# Altium PCB trackerPCB.PcbDoc
Units mil, origin at the board's own origin, x right, y up, seen from the top; angles counter-clockwise.
Board outline 2650 x 1265 mil, 4 copper layers (Top Layer, Ground, Power, Bottom Layer), stack 59.52 mil thick; 54 components, 51 nets, 269 pads, 73 vias.
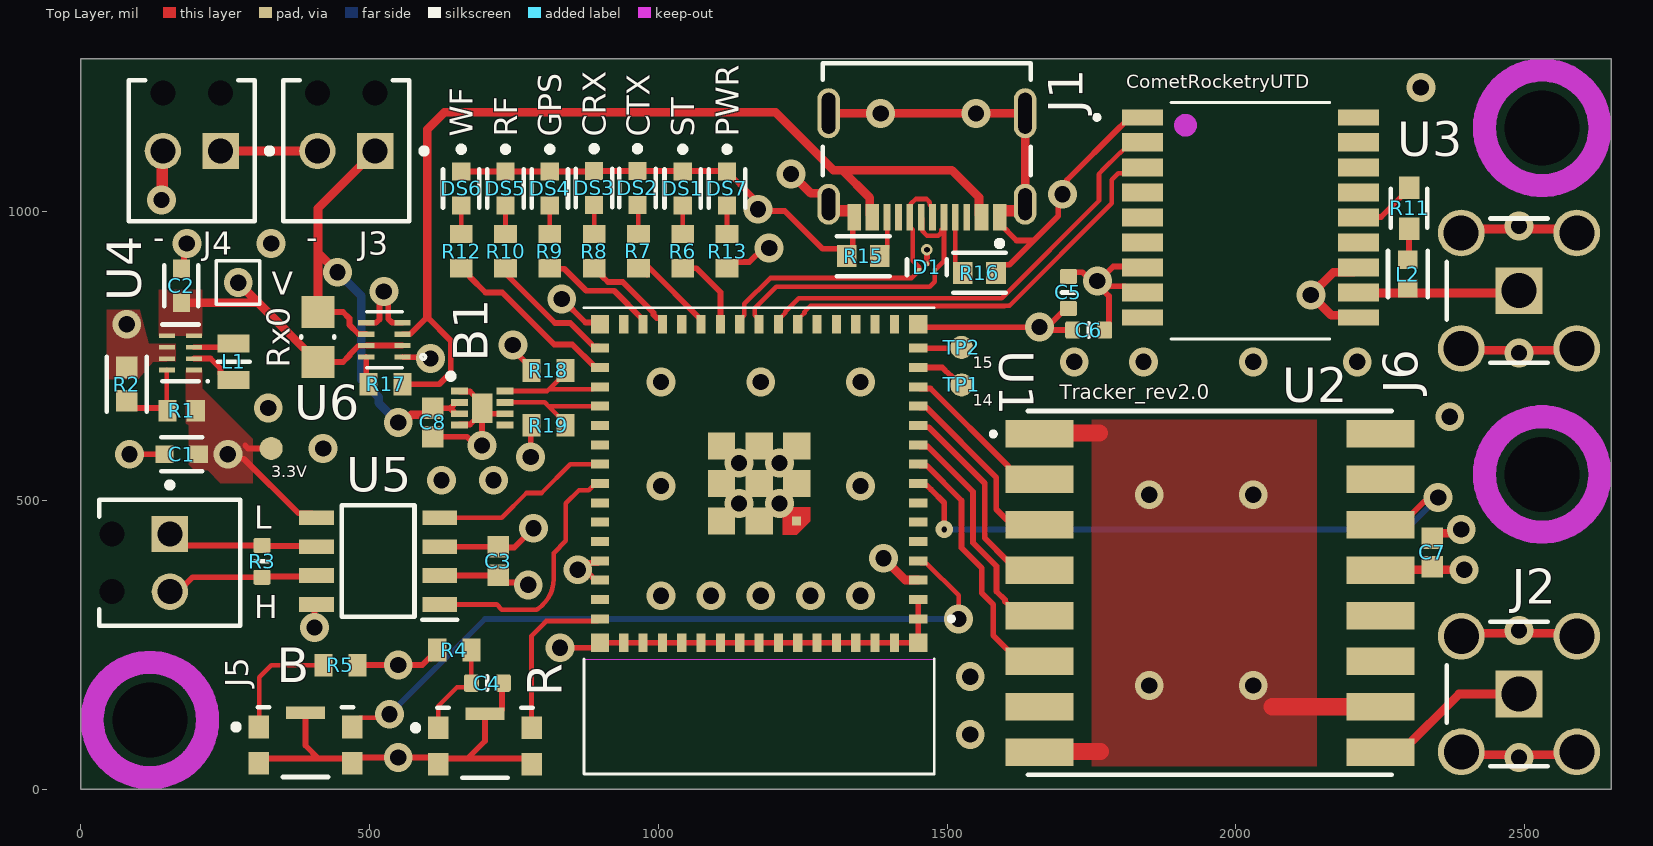
[diagram p0: Top Layer view]
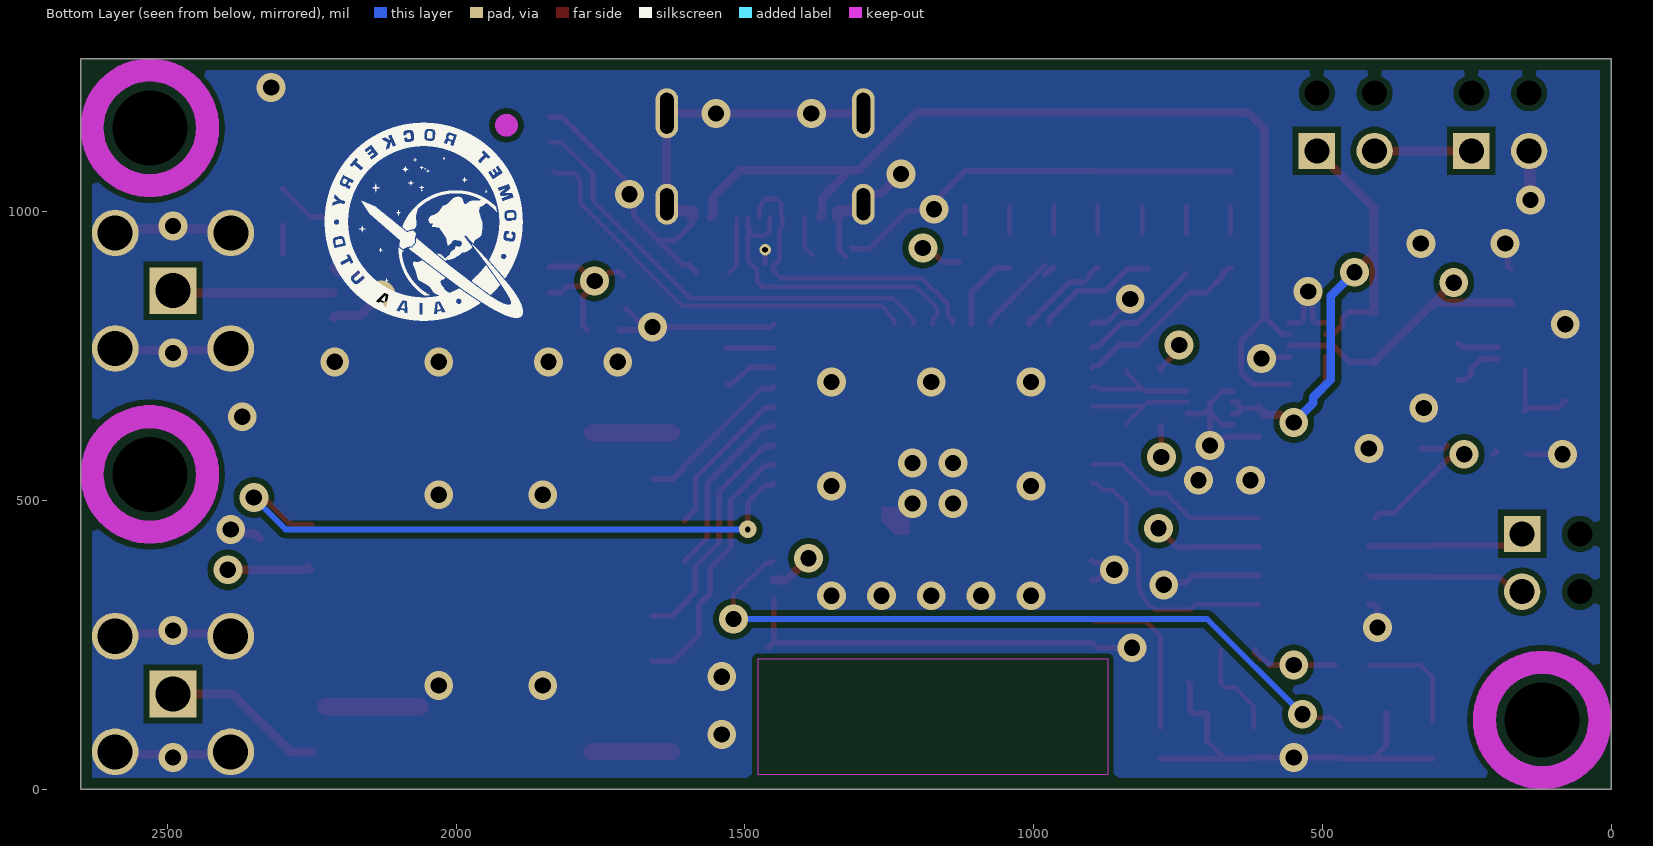
[diagram p1: Bottom Layer view, seen from below]
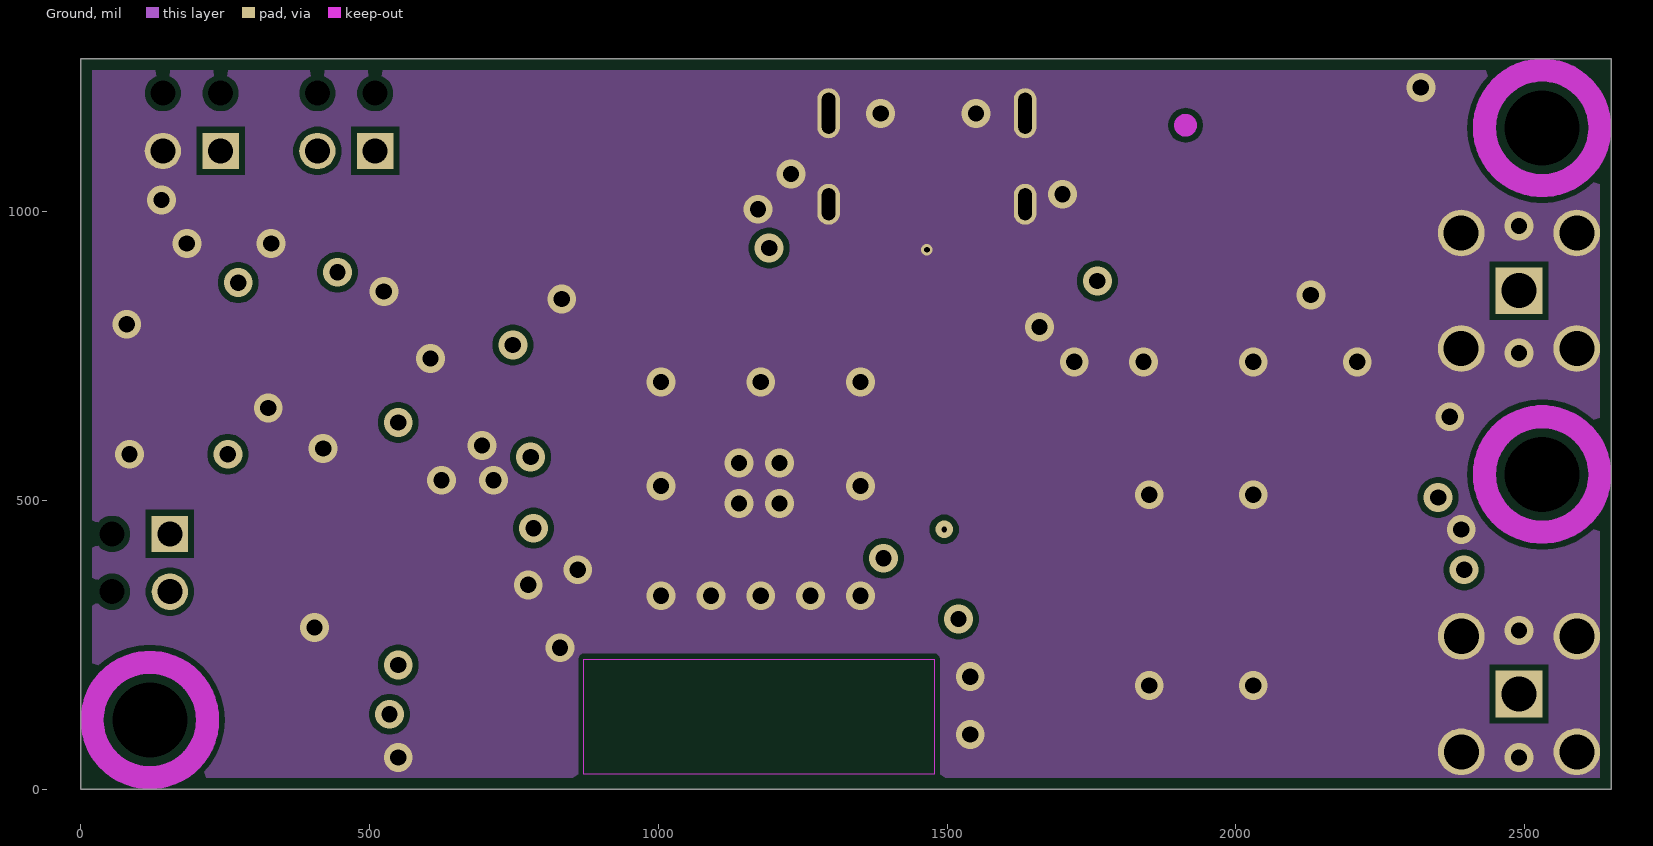
[diagram p2: Ground]
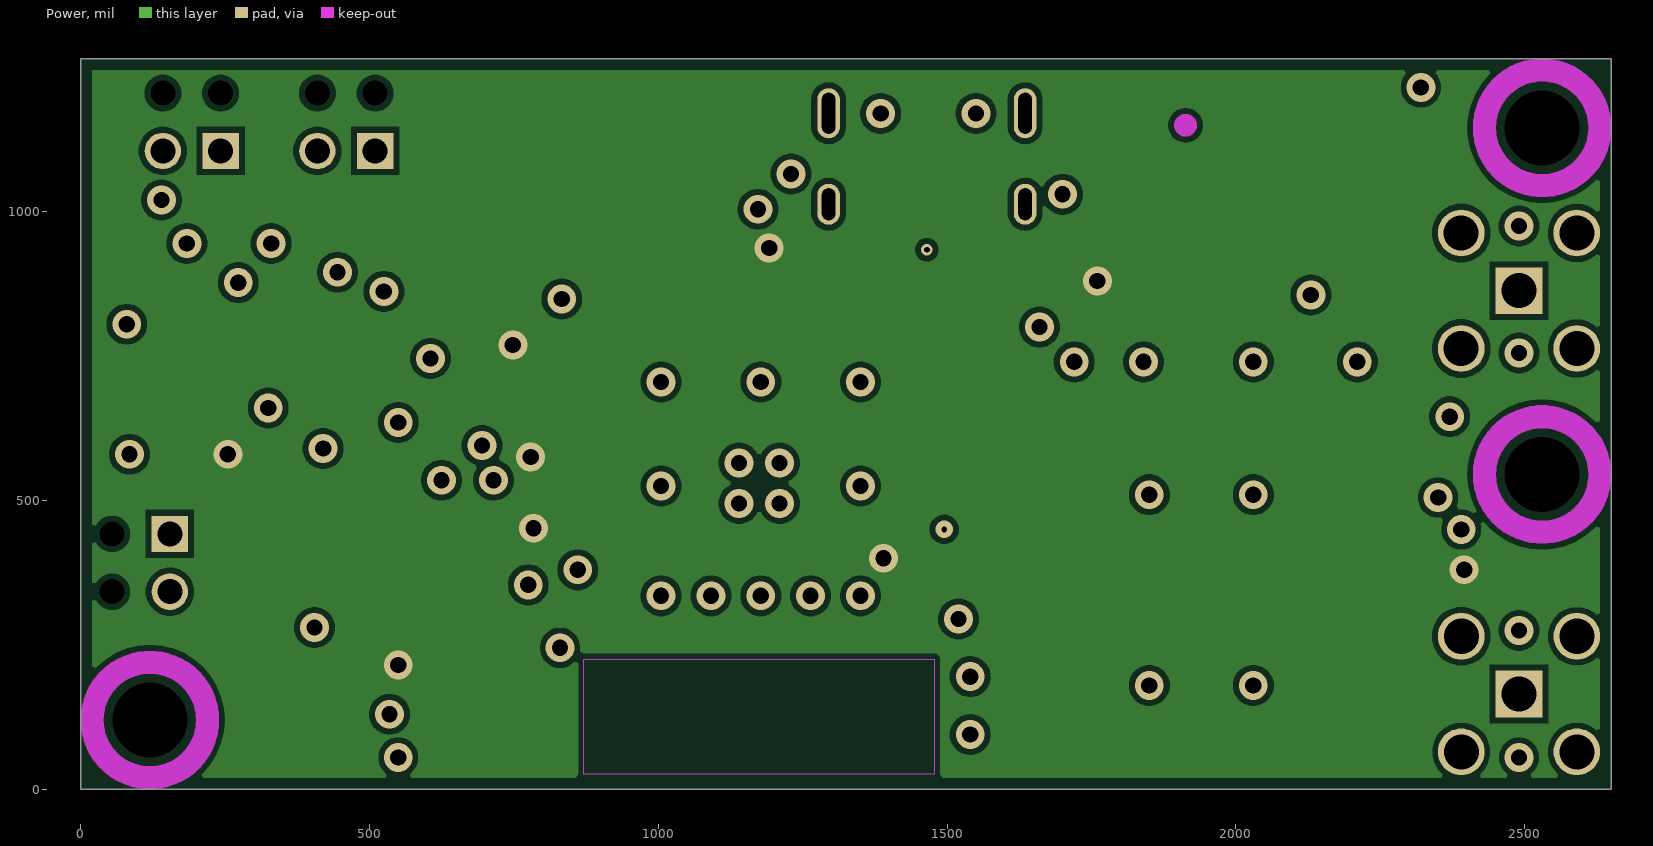
[diagram p3: Power]
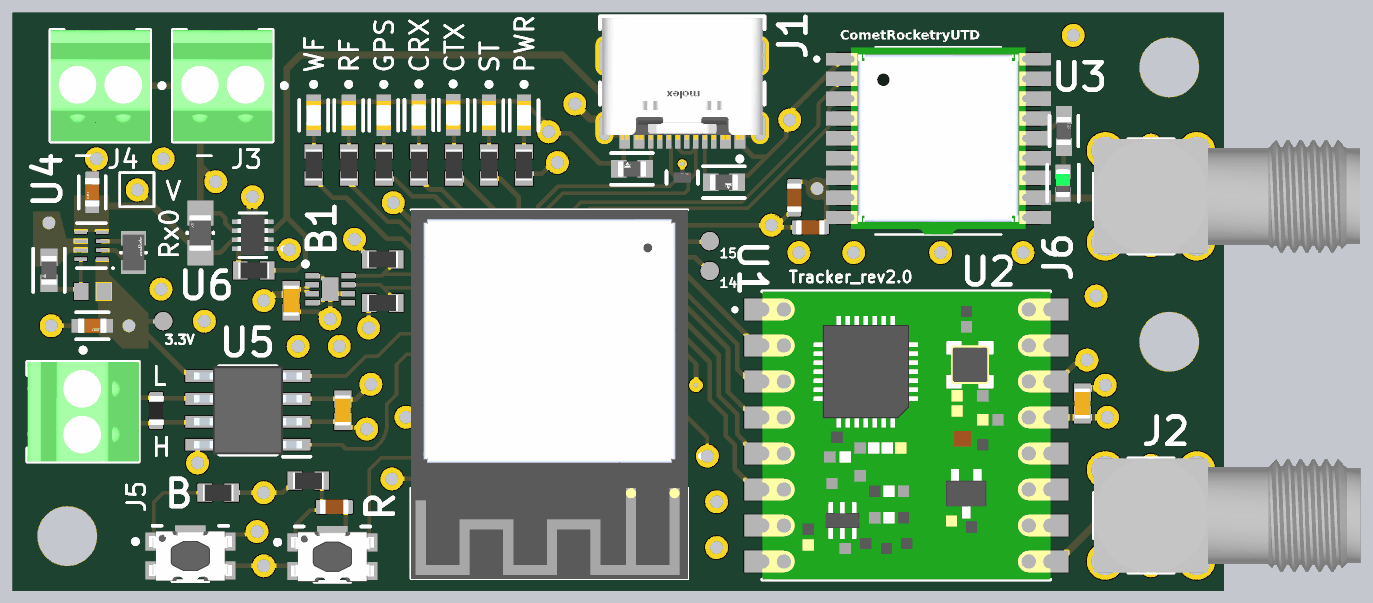
[diagram p4: 3D render of the assembled board from above, using the file's embedded part models]

## Layer stack, top to bottom
Top Solder: solder mask 0.6, Solder Resist, Dk 3.9
Top Layer: signal copper 1.8
Dielectric 2: prepreg 7.86, PP-006, Dk 3.61
Ground: signal copper 0.6
Dielectric 1: dielectric 39, FR-4, Dk 3.87
Power: signal copper 0.6
Dielectric 3: prepreg 7.86, PP-006, Dk 3.61
Bottom Layer: signal copper 1.8
Bottom Solder: solder mask 0.6, Solder Resist, Dk 3.9

## Board outline
0,0 2650,0 2650,1265 0,1265

## Design rules (kind name [scope] priority, off if disabled: settings)
BoardOutlineClearance [All] p1: gap=15 ignorepadtopadclearanceinfootprint=FALSE except(20: Poly-OutlineEdge)
Clearance "Clearance Polygons" [InPolygon] p1: gap=10 ignorepadtopadclearanceinfootprint=FALSE
Clearance [All] p2: gap=5 ignorepadtopadclearanceinfootprint=FALSE
ComponentClearance "HM-TRP & UFL" [InComponent('X1') vs InComponent('U1')] p1: gap=0 collisioncheckmode=3 verticalgap=0 showdistances=FALSE
ComponentClearance [All] p2: gap=1 collisioncheckmode=3 verticalgap=1 showdistances=FALSE
DiffPairsRouting [All] p1: maxlimit=393.7 minlimit=5 mostfreqgap=8 toplayer_minwidth=5 toplayer_maxwidth=15 toplayer_prefwidth=8 midlayer1_minwidth=5 midlayer1_maxwidth=15 midlayer1_prefwidth=8 midlayer2_minwidth=5 midlayer2_maxwidth=15 midlayer2_prefwidth=8 bottomlayer_minwidth=5 bottomlayer_maxwidth=15 bottomlayer_prefwidth=8 maxuncoupledlength=500
HoleSize [All] p1: absolutevalues=TRUE maxlimit=265 minlimit=10 maxpercent=80.000 minpercent=20.000
HoleToHoleClearance [All] p1: gap=10 allowstackedmicrovias=FALSE
MinimumAnnularRing [All] p1: minimumring=4
MinimumSolderMaskSliver [All] p1: minsoldermaskwidth=0
PlaneClearance [All] p1: clearance=10
PlaneConnect [All] p1: planeconnectstyle=Relief reliefexpansion=4 reliefentries=4 reliefconductorwidth=6 reliefairgap=6
PolygonConnect "Via connect style" [isVia] p1: connectstyle=Direct reliefconductorwidth=10 reliefentries=4 polygonreliefangle="90 Angle" airgapwidth=10
PolygonConnect [All] p2: connectstyle=Direct reliefconductorwidth=10 reliefentries=4 polygonreliefangle="90 Angle" airgapwidth=6
RoutingCorners [All] p1: cornerstyle=45-Degree minsetback=49.21 maxsetback=49.21
RoutingVias [All] p1: holewidth=12 width=22 viastyle="Through Hole" minholewidth=10 minwidth=18 maxholewidth=100 maxwidth=114
SilkToSilkClearance [All] p1: silktosilkclearance=0
SilkToSolderMaskClearance [IsPad] p1: minsilkscreentomaskgap=5 clearancetoexposedcopper=TRUE
SolderMaskExpansion [All] p1: expansion=2.5 istentingtop=FALSE
SupplyNets "Schematic Supply Nets_4" [InNet('+Batt')] p1: voltage=0.000
SupplyNets "Schematic Supply Nets_3" [InNet('GND')] p2: voltage=0.000
SupplyNets "Schematic Supply Nets_2" [InNet('VCC')] p3: voltage=0.000
SupplyNets "Schematic Supply Nets_1" [InNet('USB_5V')] p4: voltage=0.000
SupplyNets "Schematic Supply Nets" [InNet('+3.3')] p5: voltage=0.000
Width GND [InNet('GND')] p1: maxlimit=30 minlimit=10 preferedwidth=20
Width Power [InNetClass('Power')] p2: maxlimit=40 minlimit=20 preferedwidth=30
Width 3V3 [InNetClass('3V3')] p3: maxlimit=30 minlimit=10 preferedwidth=20
Width [All] p4: maxlimit=400 minlimit=6 preferedwidth=8
20 further rules are at their usual default settings.

## Classes and differential pairs
net class RF: NetJ2_1
net class GPS: NetJ6_1
component class tracker_usb_c: D1 J1 R15 R16
component class tracker_main: B B1 C1 C2 C3 C4 C5 C6 C7 C8 DS1 DS2 DS3 DS4 DS5 DS6 DS7 J2 J3 J4 J5 J6 L1 L2 R R1 R2 R3 R4 R5 R6 R7 R8 R9 R10 R11 R12 R13 R17 R18 R19 Rx0 TP1 TP2 U1 U2 U3 U4 U5 U6
differential pair USB_D: +USB_D_+ -USB_D_-

## Components (designator, comment, footprint, x,y, rotation, side; value= is the part's Value field where it differs from the comment)
B "KMR231GLFS" FP-KMR231GLFS-MFG 389.29,76.5 r0 top (schematic designator BOOT1)
B1 "MAX17048G+T10" SON50P200X200X80-9N-D 695,660 r0 top
C1 "47µF" FP-0603-L_1_6_0_2-W_0_8_0-MFG 175,580 r180 top
C2 "47µF" FP-0603-L_1_6_0_2-W_0_8_0-MFG 174.51,871.68 r90 top
C3 "100nF" CAPC1608X90X40NL10T20 722.96,395 r270 top
C4 "Capacitor 10µF +/-20% 10V 0603" CAPC0603(1608)100_L 704.2,183.85 r180 top value=10µF
C5 "Capacitor 10µF +/-20% 10V 0603" CAPC0603(1608)100_L 1710,860 r90 top value=10µF
C6 "Capacitor 10µF +/-20% 10V 0603" CAPC0603(1608)100_L 1745,795 r0 top value=10µF
C7 "100nF" CAPC1608X90X40NL10T20 2340,410 r90 top
C8 "100nF" CAPC1608X90X40NL10T20 610,635 r270 top
D1 "ESD122DMXR" FP-DMX0003A-MFG 1465,904.09 r270 top
DS1 "LTST-C194KSKT" FP-LTST-C194KSKT-MFG 1042.32,1040.02 r270 top
DS2 "LTST-C194KSKT" FP-LTST-C194KSKT-MFG 964,1041 r270 top
DS3 "LTST-C194KSKT" FP-LTST-C194KSKT-MFG 888.97,1041 r270 top
DS4 "LTST-C194KSKT" FP-LTST-C194KSKT-MFG 812.29,1040.02 r270 top
DS5 "LTST-C194KSKT" FP-LTST-C194KSKT-MFG 735.61,1040.02 r270 top
DS6 "LTST-C194KSKT" FP-LTST-C194KSKT-MFG 658.94,1040.02 r270 top
DS7 "LTST-C194KSKT" FP-LTST-C194KSKT-MFG 1119,1040.02 r270 top
J1 "217179-0001" FP-2171790001-MFG 1465,1125 r180 top
J2 "731000114" MOLX-731000114_V 2490,165 r180 top
J3 "Switch Block" PHOE-1725656-2 460,1105 r180 top
J4 "Battery Connector" PHOE-1725656-2 192.52,1105 r180 top
J5 "CAN line" PHOE-1725656-2 154.65,392.05 r270 top
J6 "731000114" MOLX-731000114_V 2489.92,863.05 r180 top
L1 "DFE21CCN2R2MELL" FP-DFE21CC_EL-MFG 265,740 r90 top value=2.2uH
L2 "27nH" FP-LQG18HH_00-IPC_C 2297.58,891.9 r90 top
R "KMR231GLFS" FP-KMR231GLFS-MFG 700,75 r0 top (schematic designator RESET1)
R1 "511k" RESC1609X50X30NL10T20 175,655 r0 top
R2 "91k" FP-CRCW0603-HPe3-IPC_B 80,701.38 r270 top
R3 "120" RESC0603(1608)_L 314.26,394.65 r270 top
R4 "10K" RESC1608X55X25ML10T15 647.12,241.16 r0 top value=10k
R5 "10K" RESC1608X55X25ML10T15 450,215 r0 top value=10k
R6 "Resistor 1k +/-1% 0603 100 mW" RESC1608X55X25ML10T15 1042.39,931.47 r90 top value=1k
R7 "Resistor 1k +/-1% 0603 100 mW" RESC1608X55X25ML10T15 965.71,931.47 r90 top value=1k
R8 "Resistor 1k +/-1% 0603 100 mW" RESC1608X55X25ML10T15 889.03,931.47 r90 top value=1k
R9 "Resistor 1k +/-1% 0603 100 mW" RESC1608X55X25ML10T15 812.35,931.47 r90 top value=1k
R10 "Resistor 1k +/-1% 0603 100 mW" RESC1608X55X25ML10T15 735.68,931.47 r90 top value=1k
R11 "10Ω" FP-RNCF0603-MFG 2299.58,1005.9 r90 top
R12 "Resistor 1k +/-1% 0603 100 mW" RESC1608X55X25ML10T15 659,931.47 r90 top value=1k
R13 "Resistor 1k +/-1% 0603 100 mW" RESC1608X55X25ML10T15 1119.06,931.47 r90 top value=1k
R15 "5.1k" FP-MCT0603-IPC_B 1355,923 r180 top
R16 "5.1k" FP-MCT0603-IPC_B 1556,894 r0 top
R17 "10k" RESC1608X55X25ML10T15 528,701 r180 top
R18 "Resistor 4k7 +/-1% 0603 100 mW" RESC1608X55X25ML10T15 810,725 r180 top value=4.7k
R19 "Resistor 4k7 +/-1% 0603 100 mW" RESC1608X55X25ML10T15 810,630 r180 top value=4.7k
Rx0 "0Ω" FP-HCJ0805-MFG 411,783 r90 top
TP1 "TP_1" Testpoint1 1525,700 r90 top
TP2 "TP_1" Testpoint1 1525,765 r90 top
U1 "ESP32-S3-MINI-1-N8" XCVR_ESP32-S3-MINI-1-N8 1174.61,529.41 r180 top
U2 "COM-13909" MOD_COM-13909 1955,340 r0 top
U3 "MAX-M10S-00B" XCVR_MAX-M10S-00B 2025,990 r0 top
U4 "TPS631000DRLR" SON50P120X60-8N 172.91,755.38 r180 top
U5 "TCAN3413DR" SOIC127P600X175-8N 515.13,395.02 r180 top
U6 "LM66200DRLR" SOT-5X3_DRL_TEX 526,778 r180 top

## Footprints (in the part's own frame and the unit in brackets; to place one, negate y for a bottom-side part, rotate by r counter-clockwise, add the part's x,y. Pads: shape width x height; smd on the part's side, far side on the other; paste and mask are expansions set on the pad)
CAPC0603(1608)100_L [mm] "Chip Capacitor, Body 1.6x0.8mm, Height 1.0mm, IPC High Density"
  rrect25% 0.66x0.76 smd: 1(-0.7,0) 2(0.7,0)
  silkscreen extent 0,-0.3 0,0.3, body extent -0.8,-0.4 0.8,0.4, height 0.95
CAPC1608X90X40NL10T20 [mm] "Chip Capacitor, 2-Leads, Body 1.70x0.90mm, IPC Medium Density"
  rect 0.95x0.95 smd: 1(-0.625,0) 2(0.625,0)
  body extent -0.85,-0.45 0.85,0.45, height 0.9
FP-0603-L_1_6_0_2-W_0_8_0-MFG [mm]
  rect 0.8x0.75 smd paste+0 mask+0: 1(-0.75,0) 2(0.75,0)
  silkscreen extent -0.9,-0.75 0.9,0.75, body extent -1.25,-0.6 1.25,0.6, height 0.25
FP-2171790001-MFG [mm]
  rrect100% 1x1.8 hole 1.4 slot 0.6 at 0 deg paste-2539.97 mask+0: 1(-4.32,2.85) 2(4.32,2.85)
  rrect100% 1x2.2 hole 1.8 slot 0.6 at 0 deg paste-2539.97 mask+0: 3(-4.32,-1.15) 4(4.32,-1.15)
  rect 0.6x1.15 smd paste+0 mask+0: A1-B12(-3.2,3.425) A4-B9(-2.4,3.425) B1-A12(3.2,3.425) B4-A9(2.4,3.425)
  rect 0.3x1.15 smd paste+0 mask+0: A5(-1.25,3.425) A6(-0.25,3.425) A7(0.25,3.425) A8(1.25,3.425) B5(1.75,3.425) B6(0.75,3.425) B7(-0.75,3.425) B8(-1.75,3.425)
  silkscreen extent -4.57,-3.35 4.57,4.7, body extent -4.92,-3.45 4.92,4.1, height 0.25
FP-CRCW0603-HPe3-IPC_B [mil]
  rect 37.72x37.88 smd paste+0 mask+0: 1(-28.62,0) 2(28.62,0)
  silkscreen extent -47,-35 47,35, body extent -57,-29 57,29, height 10
FP-DFE21CC_EL-MFG [mm]
  rect 0.8x1.4 smd paste+0 mask+0: 1(0.8,0) 2(-0.8,0)
  silkscreen extent 0,-0.7 0,0.7, body extent -1.3,-0.8 1.3,0.8, height 0.25
FP-DMX0003A-MFG [mm]
  rrect50% 0.2x0.2 smd paste-1000 mask-1000: 1(-0.15,0) 2(0.15,-0.34) 3(0.15,0.34)
  silkscreen extent -0.35,-0.87 0.35,0.87, body extent -0.45,-0.65 0.45,0.65, height 0.25
FP-HCJ0805-MFG [mm]
  rect 1.4x1.44 smd paste+0 mask+0: 1(-1.1,0) 2(1.1,0)
  silkscreen extent -0.03,-0.72 0.03,0.72, body extent -1.9,-0.82 1.9,0.82, height 0.25
FP-KMR231GLFS-MFG [mm]
  rect 0.9x1 smd paste+0 mask+0: 1(-2.05,0.8) 2(2.05,0.8) 3(-2.05,-0.8) 4(2.05,-0.8)
  rect 1.7x0.55 smd paste+0 mask+0: 5(0,1.425)
  silkscreen extent -3.17,-1.4 2.1,1.68, body extent -2.6,-1.5 2.6,1.8, height 0.25
FP-LQG18HH_00-IPC_C [mil]
  rect 31.73x33.79 smd paste+0 mask+0: 1(-24.65,0) 2(24.65,0)
  silkscreen extent -41,-34 41,34, body extent -44,-23 44,23, height 10
FP-LTST-C194KSKT-MFG [mm]
  rect 0.8x0.8 smd paste+0 mask+0: 1(-0.75,0) 2(0.75,0)
  silkscreen extent -1.85,-0.8 0.85,0.8, body extent -1.25,-0.55 1.25,0.55, height 0.25
FP-MCT0603-IPC_B [mil]
  rect 34x37.88 smd paste+0 mask+0: 1(-28.72,0) 2(28.72,0)
  silkscreen extent -46,-35 46,35, body extent -56,-29 56,29, height 10
FP-RNCF0603-MFG [mm]
  rect 1x0.9 smd paste+0 mask+0: 1(-0.9,0) 2(0.9,0)
  silkscreen extent -0.85,-0.8 0.85,0.8, body extent -1.5,-0.55 1.5,0.55, height 0.25
MOD_COM-13909 [mm]
  rect 3x1.2 smd: 1(-7.5,7) 2(-7.5,5) 3(-7.5,3) 4(-7.5,1) 5(-7.5,-1) 6(-7.5,-3) 7(-7.5,-5) 8(-7.5,-7) 9(7.5,-7) 10(7.5,-5) 11(7.5,-3) 12(7.5,-1) 13(7.5,1) 14(7.5,3) 15(7.5,5) 16(7.5,7)
  silkscreen extent -9.62,-8 8,8, body extent -8,-8 8,8, height 1.8
MOLX-731000114_V [mm] "Connector, 5-Leads, Body 14.8x6.35mm, Pitch 2.54mm"
  rect 2.05x2.05 hole 1.54: 1(0,0)
  round 2.05 hole 1.54: 2(-2.54,2.54) 3(-2.54,-2.54) 4(2.54,-2.54) 5(2.54,2.54)
  silkscreen extent -1.26,-3.17 3.17,3.17, body extent -11.62,-3.17 3.18,3.18, height 9.57
PHOE-1725656-2 [mm] "Connector, 2-Leads, Body 6.2x5.4mm, Pitch 2.54mm"
  rect 1.6x1.6 hole 1.1: 1(-1.27,0)
  round 1.6 hole 1.1: 2(1.27,0)
  round 0 hole 1.1 unplated: MH1(-1.27,-2.54) MH2(1.27,-2.54)
  silkscreen extent -3.55,-3.1 2.77,3.1, body extent -2.77,-3.1 2.77,3.1, height 9
RESC0603(1608)_L [mm] "Chip Resistor, Body 1.6x0.8mm, IPC High Density"
  rrect25% 0.66x0.76 smd: 1(-0.7,0) 2(0.7,0)
  silkscreen extent 0,-0.3 0,0.3, body extent -0.8,-0.4 0.8,0.4, height 0.45
RESC1608X55X25ML10T15 [mm] "Chip Resistor, 2-Leads, Body 1.70x0.90mm, IPC Low Density"
  rect 0.8x1 smd: 1(-0.75,0) 2(0.75,0)
  body extent -0.85,-0.45 0.85,0.45, height 0.55
RESC1609X50X30NL10T20 [mm] "Chip Resistor, 2-Leads, Body 1.55x0.85mm, IPC Medium Density"
  rect 0.8x0.95 smd: 1(-0.625,0) 2(0.625,0)
  body extent -0.82,-0.48 0.82,0.48, height 0.5
SOIC127P600X175-8N [mm]
  rect 1.525x0.65 smd: 1(-2.712,1.905) 2(-2.712,0.635) 3(-2.712,-0.635) 4(-2.712,-1.905) 5(2.712,-1.905) 6(2.712,-0.635) 7(2.712,0.635) 8(2.712,1.905)
  silkscreen extent -3.47,-2.45 1.6,2.58, body extent -3,-2.45 3,2.45, height 1.75
SON50P120X60-8N [mm] "SON, 8-Leads, Body 2.10x1.20mm, Pitch 0.50mm, IPC Medium Density"
  rect 0.7x0.2 smd: 1(-0.595,0.75) 2(-0.595,0.25) 3(-0.595,-0.25) 4(-0.595,-0.75) 5(0.595,-0.75) 6(0.595,-0.25) 7(0.595,0.25) 8(0.595,0.75)
  silkscreen extent -1.25,-1.25 0.8,1.3, body extent -0.65,-1.1 0.65,1.1, height 0.6
SON50P200X200X80-9N-D [mm]
  rect 0.75x0.3 smd: 1(-1,0.75) 2(-1,0.25) 3(-1,-0.25) 4(-1,-0.75) 5(1,-0.75) 6(1,-0.25) 7(1,0.25) 8(1,0.75)
  rect 0.9x1.3 smd: 9(0,0)
  silkscreen extent -1.5,1.28 -1.25,1.52
SOT-5X3_DRL_TEX [mil]
  rect 28x9 smd paste+0 mask+0: 1(-31.5,29.53) 2(-31.5,9.85) 3(-31.5,-9.85) 4(-31.5,-29.53) 5(31.5,-29.53) 6(31.5,-9.85) 7(31.5,9.85) 8(31.5,29.53)
  silkscreen extent -71,-49 31,49, body extent -34,-44 34,44, height 25
Testpoint1 [mil]
  round 40 smd: T1(0,0)
XCVR_ESP32-S3-MINI-1-N8 [mm]
  rect 0.8x0.4 smd: 1(-7,5.95) 2(-7,5.1) 3(-7,4.25) 4(-7,3.4) 5(-7,2.55) 6(-7,1.7) 7(-7,0.85) 8(-7,0) 9(-7,-0.85) 10(-7,-1.7) 11(-7,-2.55) 12(-7,-3.4) 13(-7,-4.25) 14(-7,-5.1) 15(-7,-5.95) 31(7,-5.95) 32(7,-5.1) 33(7,-4.25) 34(7,-3.4) 35(7,-2.55) 36(7,-1.7) 37(7,-0.85) 38(7,0) 39(7,0.85) 40(7,1.7) 41(7,2.55) 42(7,3.4) 43(7,4.25) 44(7,5.1) 45(7,5.95)